# Allegro board pc065c_fibv2_toplevel_28.brd
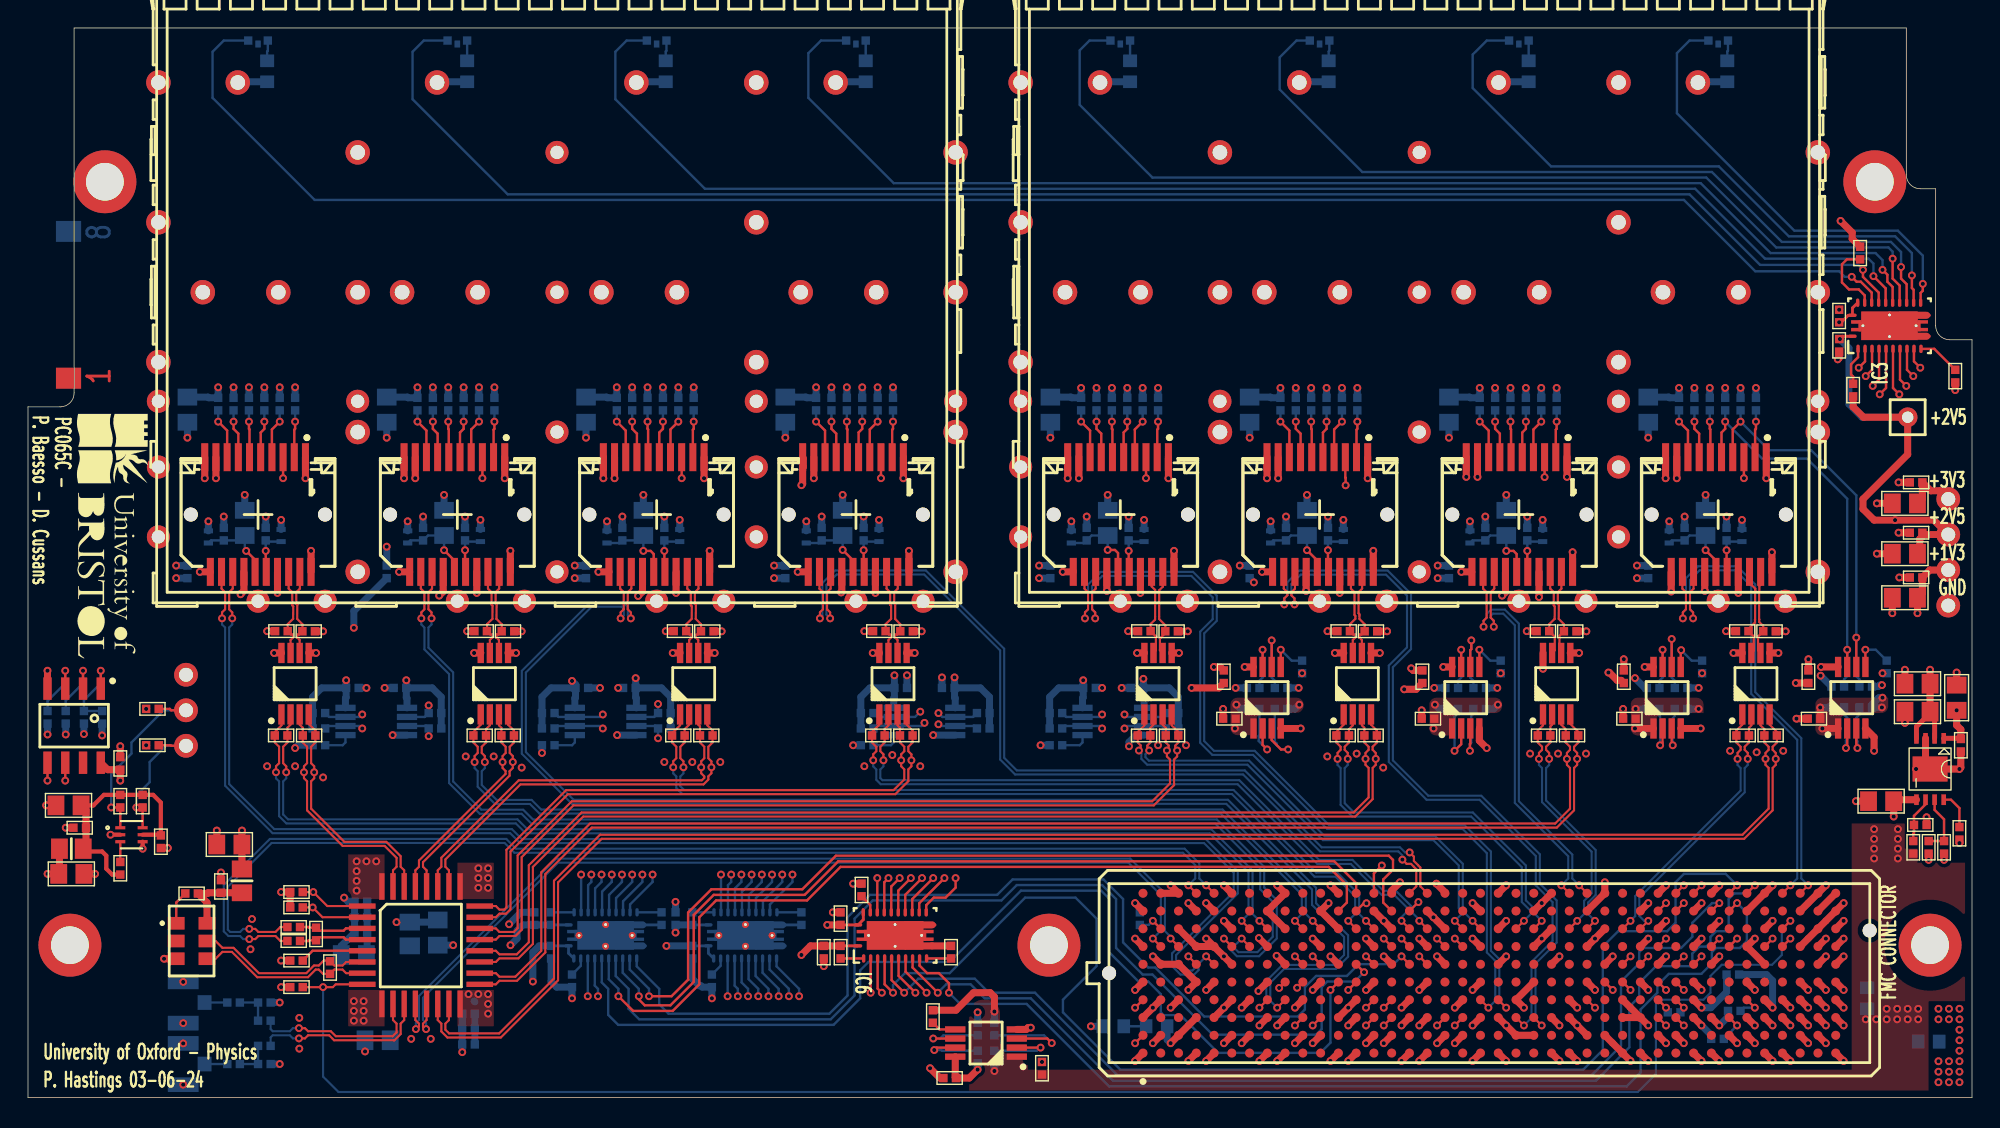
[diagram p0: board, top side]
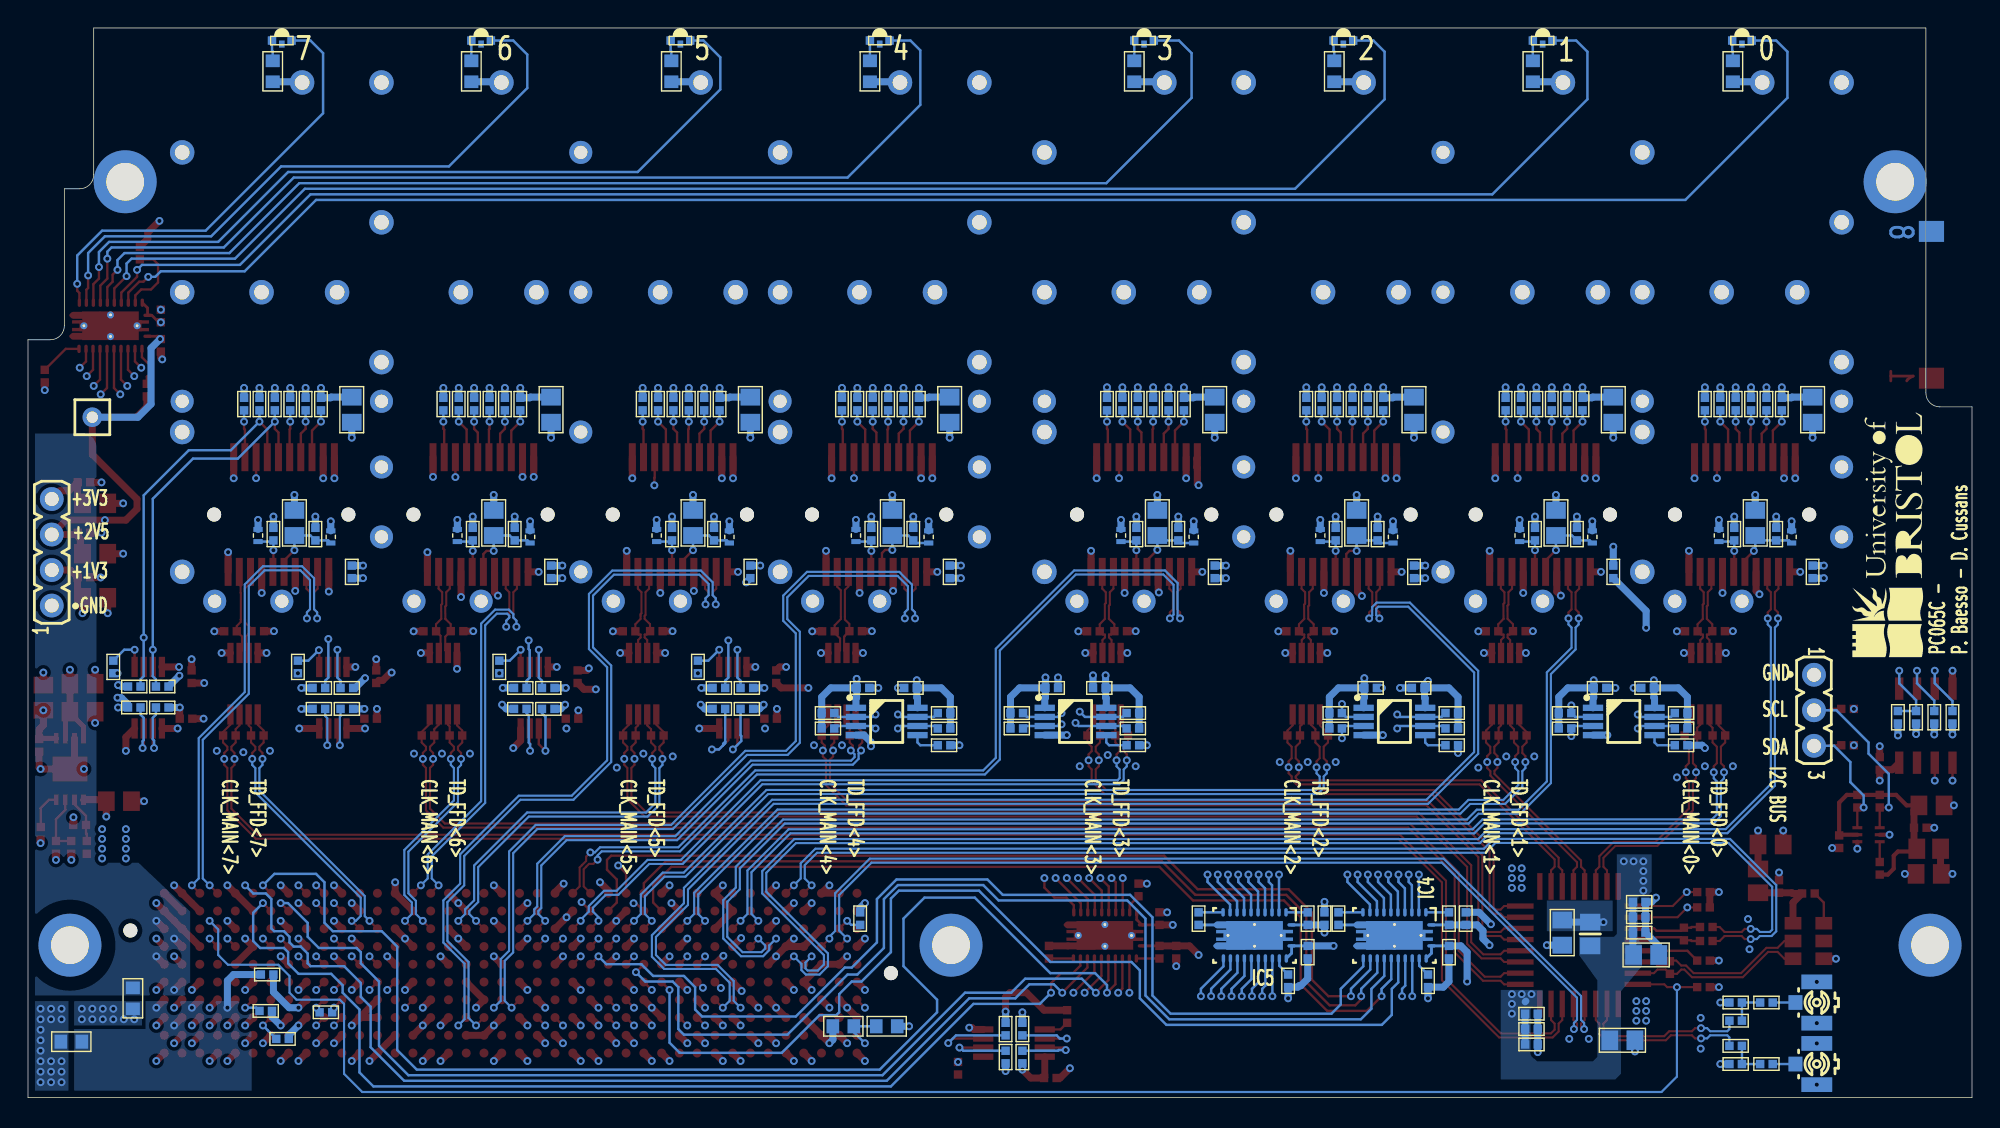
[diagram p1: board, bottom side, seen from below]

Outline 139 x 76.5 mm; copper layers: TOP, L2_GND, L3_SIG, L4_PWR, L5_PWR, L6_SIG, L7_GND, BOTTOM. Coordinates in mm from the lower left corner of the outline.
Outline path: 0,49.4 0,0 139,0 139,54.2 137.4,54.2 arc(136.69,54.49) 136.4,55.2 136.4,65 135.3,65 arc(134.59,65.29) 134.3,66 134.3,76.5 3.3,76.5 3.3,50.4 arc(3.01,49.69) 2.3,49.4 0,49.4

## Design rules (mm)
constraint set DEFAULT: min track width 0.17, pair gap 0.3
net group 250MXTAL: nets 250MXTAL_N 250MXTAL_P
net group CLK_BIDIR<1>: nets CLK_BIDIR_N<1> CLK_BIDIR_P<1>
net group CLK_IN<1>: nets CLK_IN_N<1> CLK_IN_P<1>
net group CLK_IN_CAP: nets UNNAMED_8_CAPCERSMDCL2_I167_A UNNAMED_8_CAPCERSMDCL2_I168_B
net group CLK_MAIN<0>: nets CLK_MAIN_N<0> CLK_MAIN_P<0>
net group CLK_MAIN<1>: nets CLK_MAIN_N<1> CLK_MAIN_P<1>
net group CLK_MAIN<2>: nets CLK_MAIN_N<2> CLK_MAIN_P<2>
net group CLK_MAIN<3>: nets CLK_MAIN_N<3> CLK_MAIN_P<3>
net group CLK_MAIN<4>: nets CLK_MAIN_N<4> CLK_MAIN_P<4>
net group CLK_MAIN<5>: nets CLK_MAIN_N<5> CLK_MAIN_P<5>
net group CLK_MAIN<6>: nets CLK_MAIN_N<6> CLK_MAIN_P<6>
net group CLK_MAIN<7>: nets CLK_MAIN_N<7> CLK_MAIN_P<7>
net group CLK_MAIN<8>: nets CLK_MAIN_N<8> CLK_MAIN_P<8>
net group CLK_MAIN<9>: nets CLK_MAIN_N<9> CLK_MAIN_P<9>
net group DP_C2M<0>: nets DP_C2M_N<0> DP_C2M_P<0>
net group DP_C2M<1>: nets DP_C2M_N<1> DP_C2M_P<1>
net group DP_C2M<2>: nets DP_C2M_N<2> DP_C2M_P<2>
net group DP_C2M<3>: nets DP_C2M_N<3> DP_C2M_P<3>
net group DP_C2M<4>: nets DP_C2M_N<4> DP_C2M_P<4>
net group DP_C2M<5>: nets DP_C2M_N<5> DP_C2M_P<5>
net group DP_C2M<6>: nets DP_C2M_N<6> DP_C2M_P<6>
net group DP_C2M<7>: nets DP_C2M_N<7> DP_C2M_P<7>
net group DP_C2M<8>: nets DP_C2M_N<8> DP_C2M_P<8>
net group DP_C2M<9>: nets DP_C2M_N<9> DP_C2M_P<9>
net group DP_M2C<0>: nets DP_M2C_N<0> DP_M2C_P<0>
net group DP_M2C<1>: nets DP_M2C_N<1> DP_M2C_P<1>
net group DP_M2C<2>: nets DP_M2C_N<2> DP_M2C_P<2>
net group DP_M2C<3>: nets DP_M2C_N<3> DP_M2C_P<3>
net group DP_M2C<4>: nets DP_M2C_N<4> DP_M2C_P<4>
net group DP_M2C<5>: nets DP_M2C_N<5> DP_M2C_P<5>
net group DP_M2C<6>: nets DP_M2C_N<6> DP_M2C_P<6>
net group DP_M2C<7>: nets DP_M2C_N<7> DP_M2C_P<7>
net group DP_M2C<8>: nets DP_M2C_N<8> DP_M2C_P<8>
net group DP_M2C<9>: nets DP_M2C_N<9> DP_M2C_P<9>
net group FMC_LA<2>: nets TD_FFD_N<0> TD_FFD_P<0>
net group FMC_LA<4>: nets TD_FFD_N<1> TD_FFD_P<1>
net group FMC_LA<7>: nets TD_FFD_N<2> TD_FFD_P<2>
net group FMC_LA<11>: nets TD_FFD_N<3> TD_FFD_P<3>
net group FMC_LA<13>: nets FMC_LA_N<13> FMC_LA_P<13>
net group FMC_LA<15>: nets TD_FFD_N<4> TD_FFD_P<4>
net group FMC_LA<17>: nets RD_FPGA_N<5> RD_FPGA_P<5>
net group FMC_LA<19>: nets TD_FFD_N<5> TD_FFD_P<5>
net group FMC_LA<20>: nets FMC_LA_N<20> FMC_LA_P<20>
net group FMC_LA<21>: nets TD_FFD_N<6> TD_FFD_P<6>
net group FMC_LA<22>: nets FMC_LA_N<22> FMC_LA_P<22>
net group FMC_LA<23>: nets FMC_LA_N<23> FMC_LA_P<23>
net group FMC_LA<24>: nets TD_FFD_N<7> TD_FFD_P<7>
net group FMC_LA<25>: nets FMC_LA_N<25> FMC_LA_P<25>
net group FMC_LA<26>: nets CDCLVD110_SI FMC_LA_N<26>
net group GBTCLK_M2C<0>: nets GBTCLK_M2C_N<0> GBTCLK_M2C_P<0>
net group GBTCLK_M2C<1>: nets GBTCLK_M2C_N<1> GBTCLK_M2C_P<1>
net group SFP_TD: nets SFP_TD_N SFP_TD_P
net group SFP_TD_1: nets SFP_TD_N_1 SFP_TD_P_1
net group SFP_TD_2: nets SFP_TD_N_2 SFP_TD_P_2
net group SFP_TD_3: nets SFP_TD_N_3 SFP_TD_P_3
net group SFP_TD_4: nets SFP_TD_N_4 SFP_TD_P_4
net group SFP_TD_5: nets SFP_TD_N_5 SFP_TD_P_5
net group SFP_TD_6: nets SFP_TD_N_6 SFP_TD_P_6
net group SFP_TD_7: nets SFP_TD_N_7 SFP_TD_P_7
net group CLK_M2C_N: nets CLK_M2C_N<0>
net group CLK_M2C_P: nets CLK_M2C_P<0>
net group FMC_HA_N: nets FMC_HA_N<1> FMC_HA_N<2> FMC_HA_N<3> FMC_HA_N<4> FMC_HA_N<5> FMC_HA_N<6> FMC_HA_N<7> FMC_HA_N<16> FMC_HA_N<18> FMC_HA_N<19> FMC_HA_N<20> FMC_HA_N<21> FMC_HA_N<22> FMC_HA_N<23> SFP_FAULT<4> SFP_FAULT<5> SFP_FAULT<6> SFP_FAULT<7> SFP_LOS<5> SFP_LOS<6> SFP_LOS<7>
net group FMC_HA_P: nets FMC_HA_P<1> FMC_HA_P<2> FMC_HA_P<3> FMC_HA_P<4> FMC_HA_P<5> FMC_HA_P<6> FMC_HA_P<7> FMC_HA_P<16> FMC_HA_P<18> FMC_HA_P<19> FMC_HA_P<20> FMC_HA_P<21> FMC_HA_P<22> FMC_HA_P<23> SFP_FAULT<0> SFP_FAULT<1> SFP_FAULT<2> SFP_FAULT<3> SFP_LOS<1>
net group FMC_HB_N: nets FMC_HB_N<1> FMC_HB_N<2> FMC_HB_N<3> FMC_HB_N<4> FMC_HB_N<5> FMC_HB_N<6> FMC_HB_N<7> FMC_HB_N<16> FMC_HB_N<18> FMC_HB_N<19> FMC_HB_N<20> FMC_HB_N<21> SFP_TX_DISABLE<4> SFP_TX_DISABLE<5> SFP_TX_DISABLE<6> SFP_TX_DISABLE<7>
net group FMC_HB_P: nets FMC_HB_P<1> FMC_HB_P<2> FMC_HB_P<3> FMC_HB_P<4> FMC_HB_P<5> FMC_HB_P<6> FMC_HB_P<7> FMC_HB_P<16> FMC_HB_P<18> FMC_HB_P<19> FMC_HB_P<20> FMC_HB_P<21> SFP_TX_DISABLE<0> SFP_TX_DISABLE<1> SFP_TX_DISABLE<2> SFP_TX_DISABLE<3>
net group FMC_LA<32>: nets CDCLVD110_EN
net group FMC_LA_N: nets FMC_LA_N<3> FMC_LA_N<5> FMC_LA_N<8> FMC_LA_N<27> FMC_LA_N<28> FMC_LA_N<30> FMC_LA_N<32> RD_FPGA_N<0> RD_FPGA_N<1> RD_FPGA_N<2> RD_FPGA_N<3> RD_FPGA_N<4> RD_FPGA_N<6> RD_FPGA_N<7> RST_I2C_B SFP_I2C_SCL_CVCC<6>
net group FMC_LA_P: nets CDCLVD110_CK FMC_LA_P<3> FMC_LA_P<5> FMC_LA_P<8> FMC_LA_P<27> FMC_LA_P<28> FMC_LA_P<30> RD_FPGA_P<0> RD_FPGA_P<1> RD_FPGA_P<2> RD_FPGA_P<3> RD_FPGA_P<4> RD_FPGA_P<6> RD_FPGA_P<7> SFP_I2C_SDA_CVCC<6>
net group LED_FPGA: nets LED_FPGA<0> LED_FPGA<1> LED_FPGA<2> LED_FPGA<3> LED_FPGA<4> LED_FPGA<5> LED_FPGA<6> LED_FPGA<7>
net group SFP_FAULT_FPGA: nets SFP_FAULT_FPGA<0> SFP_FAULT_FPGA<1> SFP_FAULT_FPGA<2> SFP_FAULT_FPGA<3> SFP_FAULT_FPGA<4> SFP_FAULT_FPGA<5> SFP_FAULT_FPGA<6> SFP_FAULT_FPGA<7>
net group SFP_I2C_SCL: nets SFP_I2C_SCL<0> SFP_I2C_SCL<1> SFP_I2C_SCL<2> SFP_I2C_SCL<3> SFP_I2C_SCL<4> SFP_I2C_SCL<5> SFP_I2C_SCL<6> SFP_I2C_SCL<7>
net group SFP_I2C_SCL_CVCC: nets SFP_I2C_SCL_CVCC<0> SFP_I2C_SCL_CVCC<1> SFP_I2C_SCL_CVCC<2> SFP_I2C_SCL_CVCC<3> SFP_I2C_SCL_CVCC<4> SFP_I2C_SCL_CVCC<5> SFP_I2C_SCL_CVCC<7>
net group SFP_I2C_SDA: nets SFP_I2C_SDA<0> SFP_I2C_SDA<1> SFP_I2C_SDA<2> SFP_I2C_SDA<3> SFP_I2C_SDA<4> SFP_I2C_SDA<5> SFP_I2C_SDA<6> SFP_I2C_SDA<7>
net group SFP_I2C_SDA_CVCC: nets SFP_I2C_SDA_CVCC<0> SFP_I2C_SDA_CVCC<1> SFP_I2C_SDA_CVCC<2> SFP_I2C_SDA_CVCC<3> SFP_I2C_SDA_CVCC<4> SFP_I2C_SDA_CVCC<5> SFP_I2C_SDA_CVCC<7>
net group SFP_LOS_FPGA: nets SFP_LOS_FPGA<0> SFP_LOS_FPGA<1> SFP_LOS_FPGA<2> SFP_LOS_FPGA<3> SFP_LOS_FPGA<4> SFP_LOS_FPGA<5> SFP_LOS_FPGA<6> SFP_LOS_FPGA<7>
net group SFP_TX_DISABLE_FPGA: nets SFP_TX_DISABLE_FPGA<0> SFP_TX_DISABLE_FPGA<1> SFP_TX_DISABLE_FPGA<2> SFP_TX_DISABLE_FPGA<3> SFP_TX_DISABLE_FPGA<4> SFP_TX_DISABLE_FPGA<5> SFP_TX_DISABLE_FPGA<6> SFP_TX_DISABLE_FPGA<7>

## Placement (name value [footprint] x y rotation side)
C1  100nF  [C0402]  135 44 0 top
C2  10uF  [C0805]  134.2 42.5 0 top
C3  10uF  [C0805]  29.3 11.8 90 bottom
C4  10uF  [C0805]  3.1 16 180 top
C5  100nF  [C0402]  3.7 19.3 0 top
C6  10uF  [C0805]  14.4 18.1 0 top
C7  100nF  [C0402]  23.8 14 0 bottom
C8  22uF  [C0805]  2.9 20.9 0 top
C9  100nF  [C0402]  23.8 12.9 0 bottom
C10  100nF  [C0402]  13.8 15.1 270 top
C11  100nF  [C0402]  23.8 11.8 0 bottom
C12  10uF  [C0805]  23.3 10.2 0 bottom
C13  100nF  [C0402]  31.5 6 0 bottom
C14  100nF  [C0402]  31.5 4.9 0 bottom
C15  100nF  [C0402]  31.5 3.8 0 bottom
C16  100nF  [C0402]  19 12.2 180 top
C17  10uF  [C0805]  25 4.1 0 bottom
C18  100nF  [C0402]  19 11.2 0 top
C19  100nF  [C0402]  135.3 19.5 180 top
C20  100nF  [C0402]  129.5 53.8 90 top
C21  100nF  [C0402]  129.5 55.9 90 top
C22  100nF  [C0402]  36.2 12.8 270 bottom
C23  100nF  [C0402]  37.4 10.4 270 bottom
C24  100nF  [C0402]  46.3 12.8 270 bottom
C25  100nF  [C0402]  47.5 10.4 270 bottom
C26  100nF  [C0402]  56.9 10.4 90 top
C27  100nF  [C0402]  58.1 12.8 90 top
C29  100nF  [C0402]  9.5 18.3 270 top
C30  100nF  [C0402]  16.9 3.7 180 bottom
C31  100nF  [C0402]  11.4 37.6 270 bottom
C32  10uF  [C0805]  11.4 49.2 90 bottom
C33  100nF  [C0402]  17 40.3 270 bottom
C34  10uF  [C0805]  15.5 41.1 270 bottom
C35  100nF  [C0402]  14 40.3 270 bottom
C36  100nF  [C0402]  135 37.2 0 top
C37  10uF  [C0805]  134.2 35.75 0 top
C38  100nF  [C0402]  135 40.4 0 top
C39  10uF  [C0805]  134.2 38.9 0 top
C40  100nF  [C0402]  25.65 37.6 270 bottom
C41  10uF  [C0805]  25.65 49.2 90 bottom
C42  100nF  [C0402]  31.25 40.3 270 bottom
C43  10uF  [C0805]  29.75 41.1 270 bottom
C44  100nF  [C0402]  28.25 40.3 270 bottom
C45  100nF  [C0402]  39.9 37.6 270 bottom
C46  10uF  [C0805]  39.9 49.2 90 bottom
C47  100nF  [C0402]  45.5 40.3 270 bottom
C48  10uF  [C0805]  44 41.1 270 bottom
C49  100nF  [C0402]  42.5 40.3 270 bottom
C50  100nF  [C0402]  54.15 37.6 270 bottom
C51  10uF  [C0805]  54.15 49.2 90 bottom
C52  100nF  [C0402]  59.75 40.3 270 bottom
C53  10uF  [C0805]  58.25 41.1 270 bottom
C54  100nF  [C0402]  56.75 40.3 270 bottom
C59  100nF  [C0402]  115.85 37.6 270 bottom
C60  10uF  [C0805]  115.85 49.2 90 bottom
C61  100nF  [C0402]  121.45 40.3 270 bottom
C62  10uF  [C0805]  119.95 41.1 270 bottom
C63  100nF  [C0402]  118.45 40.3 270 bottom
C64  100nF  [C0402]  101.6 37.6 270 bottom
C65  10uF  [C0805]  101.6 49.2 90 bottom
C66  100nF  [C0402]  107.2 40.3 270 bottom
C67  10uF  [C0805]  105.7 41.1 270 bottom
C68  100nF  [C0402]  104.2 40.3 270 bottom
C69  100nF  [C0402]  87.35 37.6 270 bottom
C70  10uF  [C0805]  87.35 49.2 90 bottom
C71  100nF  [C0402]  92.95 40.3 270 bottom
C72  10uF  [C0805]  91.45 41.1 270 bottom
C73  100nF  [C0402]  89.95 40.3 270 bottom
C74  100nF  [C0402]  73.1 37.6 270 bottom
C75  10uF  [C0805]  73.1 49.2 90 bottom
C76  100nF  [C0402]  78.7 40.3 270 bottom
C77  10uF  [C0805]  77.2 41.1 270 bottom
C78  100nF  [C0402]  75.7 40.3 270 bottom
C79  100nF  [C0402]  72.5 2.1 270 top
C80  100nF  [C0402]  65.9 1.4 0 top
C81  100nF  [C0402]  26.6 29.3 0 bottom
C82  100nF  [C0402]  23.2 29.3 180 bottom
C83  100nF  [C0402]  43 29.3 0 bottom
C84  100nF  [C0402]  39.6 29.3 180 bottom
C85  100nF  [C0402]  65.8 29.3 0 bottom
C86  100nF  [C0402]  62.4 29.3 180 bottom
C87  100nF  [C0402]  79.3 29.3 0 bottom
C88  100nF  [C0402]  75.9 29.3 180 bottom
C89  100nF  [C0402]  85.9 27.1 0 top
C90  100nF  [C0402]  85.5 30.1 270 top
C91  100nF  [C0402]  100.1 27.1 0 top
C92  100nF  [C0402]  99.7 30.1 270 top
C93  100nF  [C0402]  114.5 27.1 0 top
C94  100nF  [C0402]  114.1 30.1 270 top
C95  100nF  [C0402]  127.7 27.1 0 top
C96  100nF  [C0402]  127.3 30.1 270 top
C99  10uF  [C0805]  135.1 27.6 0 top
C100  10uF  [C0805]  135.1 29.6 0 top
C101  100nF  [C0402]  138.1 18.9 90 top
C112  100nF  [C0402]  6.6 23.9 90 top
C118  10uF  [C0805]  137.9 28.6 90 top
C119  100nF  [C0402]  138.2 25.2 270 top
C120  4.7uF  [C0805]  132.5 21.2 0 top
C121  100nF  [C0402]  16.9 5.5 180 bottom
DS1  -  [155060YS73200]  16.45 75.6 180 bottom
DS2  -  [155060YS73200]  30.7 75.6 180 bottom
DS3  -  [155060YS73200]  44.95 75.6 180 bottom
DS4  -  [155060YS73200]  59.2 75.6 180 bottom
DS5  -  [155060YS73200]  78.1 75.6 180 bottom
DS6  -  [155060YS73200]  92.35 75.6 180 bottom
DS7  -  [155060YS73200]  106.6 75.6 180 bottom
DS8  -  [155060YS73200]  120.85 75.6 180 bottom
F1  -  [C0603]  131.5 7.1 270 bottom
F2  -  [C0603]  135.9 4 0 bottom
IC1  -  [SOIC127P600X175-8N]  3.3 26.6 270 top
IC2  -  [SOT_DRL_TEX]  7.4 18.8 0 top
IC3  -  [RHL0024A]  133.1 55.2 90 top
IC4  -  [RHL0024A]  41.3 11.6 270 bottom
IC5  -  [RHL0024A]  51.3 11.6 270 bottom
IC6  -  [RHL0024A]  62 11.6 90 top
IC11  -  [SOP65P490X110-8N]  68.5 3.9 180 top
IC12  -  [SOP65P490X110-8N]  24.9 26.9 180 bottom
IC14  -  [SOP65P490X110-8N]  41.3 26.9 180 bottom
IC15  -  [SOP65P490X110-8N]  64.1 26.9 180 bottom
IC16  -  [SOP65P490X110-8N]  77.6 26.9 180 bottom
IC17  -  [SOP65P490X110-8N]  88.6 28.6 90 top
IC18  -  [SOP65P490X110-8N]  102.8 28.6 90 top
IC19  -  [SOP65P490X110-8N]  117.2 28.6 90 top
IC20  -  [SOP65P490X110-8N]  130.4 28.6 90 top
J1  -  [SAMTEC_MTLW-103-07-L-S-250]  11.3 27.7 270 bottom
J2  -  [SAMTEC_ASP-134488-01]  104.49 8.9 180 top
J7  -  [TYCO_1888247-1]  16.44 41.7 270 top
J12  -  [TYCO_1888247-1]  30.69 41.7 270 top
J16  -  [TYCO_1888247-1]  44.94 41.7 270 top
J20  -  [TYCO_1888247-1]  59.19 41.7 270 top
J24  -  [TYCO_1888247-1]  120.89 41.7 270 top
J28  -  [TYCO_1888247-1]  106.64 41.7 270 top
J32  -  [TYCO_1888247-1]  92.39 41.7 270 top
J36  -  [TYCO_1888247-1]  78.14 41.7 270 top
J40  -  [SAMTEC_MTLW-104-07-L-S-250]  137.3 39 90 bottom
L1  0.10uH  [INDC2012X105N]  3.1 17.8 0 top
L2  0.10uH  [INDC2012X105N]  27.3 11.7 270 bottom
L3  0.10uH  [INDC2012X105N]  15.3 15.5 270 top
L4  4.7nH  [INDC_0402HP]  18.1 40.2 270 bottom
L5  4.7nH  [INDC_0402HP]  12.9 40.1 90 bottom
L6  4.7nH  [INDC_0402HP]  32.35 40.2 270 bottom
L7  4.7nH  [INDC_0402HP]  27.15 40.1 90 bottom
L8  4.7nH  [INDC_0402HP]  46.6 40.2 270 bottom
L9  4.7nH  [INDC_0402HP]  41.4 40.1 90 bottom
L10  4.7nH  [INDC_0402HP]  60.85 40.2 270 bottom
L11  4.7nH  [INDC_0402HP]  55.65 40.1 90 bottom
L12  4.7nH  [INDC_0402HP]  122.55 40.2 270 bottom
L13  4.7nH  [INDC_0402HP]  117.35 40.1 90 bottom
L14  4.7nH  [INDC_0402HP]  108.3 40.2 270 bottom
L15  4.7nH  [INDC_0402HP]  103.1 40.1 90 bottom
L16  4.7nH  [INDC_0402HP]  94.05 40.2 270 bottom
L17  4.7nH  [INDC_0402HP]  88.85 40.1 90 bottom
L18  4.7nH  [INDC_0402HP]  79.8 40.2 270 bottom
L19  4.7nH  [INDC_0402HP]  74.6 40.1 90 bottom
NOREF  -  [unnamed]  136 10.9 0 top
NOREF#2  -  [#2]  -35.9 -77.6 0 top
NOREF#3  -  [unnamed]  5.5 65.5 0 top
NOREF#4  -  [unnamed]  132.05 65.5 0 top
NOREF#5  -  [#2]  0 0 0 top
NOREF#6  -  [#2]  139 0 90 top
NOREF#7  -  [unnamed]  73 10.9 0 top
NOREF#8  -  [#2]  3.5 48.9 270 top
NOREF#9  -  [unnamed]  3 10.9 0 top
NOREF#10  -  [#2]  3.5 31.5 90 bottom
PX3  -  [HIROSE_U-FL-R-SMT-1_10]  11.1 2.4 90 bottom
PX4  -  [HIROSE_U-FL-R-SMT-1_10]  11.1 6.8 90 bottom
QZ1  250MHz  [QFN_5032_6PINS]  11.7 11.2 270 top
R1  100  [C0402]  18.1 25.9 0 top
R2  100  [C0402]  20.6 11.7 270 top
R3  4.7k  [C0402]  11.7 14.6 180 top
R4  100  [C0402]  21.6 9.3 270 top
R5  4.7k  [C0402]  19.2 13.6 0 top
R6  4.7k  [C0402]  19.2 14.7 0 top
R7  4.7k  [C0402]  19.2 7.9 0 top
R8  XX  [C0402]  6.6 21.2 90 top
R9  4.7k  [C0402]  19.2 9.8 180 top
R10  XX  [C0402]  8.2 21.2 90 top
R11  4.7k  [C0402]  6.6 16.4 270 top
R12  49.9  [C0402]  16.9 2.4 180 bottom
R13  10k  [C0603]  77.6 5.1 0 bottom
R14  XX  [C0603]  80.7 5.1 180 bottom
R15  XX  [C0402]  79.5 12.8 270 bottom
R16  0R0  [C0402]  120.8 4.2 0 bottom
R17  49.9  [C0402]  16.9 6.8 180 bottom
R18  470  [C0402]  14.7 2.4 180 bottom
R19  470  [C0402]  14.7 6.8 180 bottom
R20  0R0  [C0402]  122 6.2 0 bottom
R21  XX  [C0402]  121.9 8.8 0 bottom
R22  51  [C0402]  18.12 33.36 180 top
R23  51  [C0402]  20.07 33.35 0 top
R24  4.7k  [C0402]  19.1 49.6 270 bottom
R25  4.7k  [C0402]  13.6 49.6 270 bottom
R26  4.7k  [C0402]  15.8 49.6 90 bottom
R27  4.7k  [C0402]  16.9 49.6 90 bottom
R28  4.7k  [C0402]  18 49.6 90 bottom
R29  4.7k  [C0402]  14.7 49.6 90 bottom
R30  270  [C0603]  17.1 73.4 270 bottom
R31  4.7k  [C0402]  37.4 12.8 90 bottom
R32  4.7k  [C0402]  45.3 12.8 90 bottom
R33  270  [C0603]  31.4 73.4 270 bottom
R34  51  [C0402]  32.37 33.36 180 top
R35  51  [C0402]  34.32 33.35 0 top
R36  4.7k  [C0402]  33.35 49.6 270 bottom
R37  4.7k  [C0402]  27.85 49.6 270 bottom
R38  4.7k  [C0402]  30.05 49.6 90 bottom
R39  4.7k  [C0402]  31.15 49.6 90 bottom
R40  4.7k  [C0402]  32.25 49.6 90 bottom
R41  4.7k  [C0402]  28.95 49.6 90 bottom
R42  51  [C0402]  46.62 33.36 180 top
R43  51  [C0402]  48.57 33.35 0 top
R44  4.7k  [C0402]  47.6 49.6 270 bottom
R45  4.7k  [C0402]  42.1 49.6 270 bottom
R46  4.7k  [C0402]  44.3 49.6 90 bottom
R47  4.7k  [C0402]  45.4 49.6 90 bottom
R48  4.7k  [C0402]  46.5 49.6 90 bottom
R49  4.7k  [C0402]  43.2 49.6 90 bottom
R50  51  [C0402]  60.87 33.36 180 top
R51  51  [C0402]  62.82 33.35 0 top
R52  4.7k  [C0402]  61.85 49.6 270 bottom
R53  4.7k  [C0402]  56.35 49.6 270 bottom
R54  4.7k  [C0402]  58.55 49.6 90 bottom
R55  4.7k  [C0402]  59.65 49.6 90 bottom
R56  4.7k  [C0402]  60.75 49.6 90 bottom
R57  4.7k  [C0402]  57.45 49.6 90 bottom
R58  270  [C0603]  45.6 73.4 270 bottom
R59  270  [C0603]  59.9 73.4 270 bottom
R60  270  [C0603]  78.8 73.4 270 bottom
R61  270  [C0603]  93 73.4 270 bottom
R62  XX  [C0402]  137 17.9 90 top
R63  270  [C0603]  107.3 73.4 270 bottom
R64  270  [C0603]  121.5 73.4 270 bottom
R65  0R0  [C0402]  117.7 6.1 0 bottom
R66  4.7k  [C0402]  130.5 50.6 90 top
R67  4.7k  [C0402]  137.8 51.6 90 top
R68  4.7k  [C0402]  131 60.4 270 top
R69  4.7k  [C0402]  38.9 8.35 90 bottom
R70  4.7k  [C0402]  47.5 12.8 90 bottom
R71  4.7k  [C0402]  55.3 12.8 90 bottom
R72  4.7k  [C0402]  48.9 8.35 90 bottom
R73  4.7k  [C0402]  58.1 10.4 270 top
R74  4.7k  [C0402]  66 10.4 270 top
R75  4.7k  [C0402]  59.6 14.85 270 top
R93  XX  [C0402]  8.9 25.2 180 top
R94  XX  [C0402]  8.9 27.8 180 top
R99  51  [C0402]  122.57 33.36 180 top
R100  51  [C0402]  124.52 33.35 0 top
R101  4.7k  [C0402]  123.55 49.6 270 bottom
R102  4.7k  [C0402]  118.05 49.6 270 bottom
R103  4.7k  [C0402]  120.25 49.6 90 bottom
R104  4.7k  [C0402]  121.35 49.6 90 bottom
R105  4.7k  [C0402]  122.45 49.6 90 bottom
R106  4.7k  [C0402]  119.15 49.6 90 bottom
R107  51  [C0402]  108.32 33.36 180 top
R108  51  [C0402]  110.27 33.35 0 top
R109  4.7k  [C0402]  109.3 49.6 270 bottom
R110  4.7k  [C0402]  103.8 49.6 270 bottom
R111  4.7k  [C0402]  106 49.6 90 bottom
R112  4.7k  [C0402]  107.1 49.6 90 bottom
R113  4.7k  [C0402]  108.2 49.6 90 bottom
R114  4.7k  [C0402]  104.9 49.6 90 bottom
R115  51  [C0402]  94.07 33.36 180 top
R116  51  [C0402]  96.02 33.35 0 top
R117  4.7k  [C0402]  95.05 49.6 270 bottom
R118  4.7k  [C0402]  89.55 49.6 270 bottom
R119  4.7k  [C0402]  91.75 49.6 90 bottom
R120  4.7k  [C0402]  92.85 49.6 90 bottom
R121  4.7k  [C0402]  93.95 49.6 90 bottom
R122  4.7k  [C0402]  90.65 49.6 90 bottom
R123  51  [C0402]  79.82 33.36 180 top
R124  51  [C0402]  81.77 33.35 0 top
R125  4.7k  [C0402]  80.8 49.6 270 bottom
R126  4.7k  [C0402]  75.3 49.6 270 bottom
R127  4.7k  [C0402]  77.5 49.6 90 bottom
R128  4.7k  [C0402]  78.6 49.6 90 bottom
R129  4.7k  [C0402]  79.7 49.6 90 bottom
R130  4.7k  [C0402]  76.4 49.6 90 bottom
R131  4.7k  [C0402]  69.1 4.9 90 bottom
R132  4.7k  [C0402]  69.1 2.9 270 bottom
R133  0R0  [C0402]  64.7 5.8 270 top
R134  4.7k  [C0402]  67.9 4.9 90 bottom
R135  4.7k  [C0402]  67.9 2.9 270 bottom
R136  4.7k  [C0402]  29.1 26.4 0 bottom
R137  4.7k  [C0402]  29.1 27.5 0 bottom
R138  0R0  [C0402]  20.8 25.2 0 bottom
R139  4.7k  [C0402]  20.8 26.4 180 bottom
R140  4.7k  [C0402]  20.8 27.5 180 bottom
R141  4.7k  [C0402]  45.5 26.4 0 bottom
R142  4.7k  [C0402]  45.5 27.5 0 bottom
R143  0R0  [C0402]  37.2 25.2 0 bottom
R144  4.7k  [C0402]  37.2 26.4 180 bottom
R145  4.7k  [C0402]  37.2 27.5 180 bottom
R146  4.7k  [C0402]  68.3 26.4 0 bottom
R147  4.7k  [C0402]  68.3 27.5 0 bottom
R148  0R0  [C0402]  60 25.2 0 bottom
R149  4.7k  [C0402]  60 26.4 180 bottom
R150  4.7k  [C0402]  60 27.5 180 bottom
R151  4.7k  [C0402]  81.8 26.4 0 bottom
R152  4.7k  [C0402]  81.8 27.5 0 bottom
R153  0R0  [C0402]  73.5 25.2 0 bottom
R154  4.7k  [C0402]  73.5 26.4 180 bottom
R155  4.7k  [C0402]  73.5 27.5 180 bottom
R156  4.7k  [C0402]  89.6 27.8 0 bottom
R157  4.7k  [C0402]  87.6 27.8 180 bottom
R158  0R0  [C0402]  91.1 30.8 90 bottom
R159  4.7k  [C0402]  89.6 29.3 0 bottom
R160  4.7k  [C0402]  87.6 29.3 180 bottom
R161  4.7k  [C0402]  103.8 27.8 0 bottom
R162  4.7k  [C0402]  101.8 27.8 180 bottom
R163  0R0  [C0402]  105.3 30.8 90 bottom
R164  4.7k  [C0402]  103.8 29.3 0 bottom
R165  4.7k  [C0402]  101.8 29.3 180 bottom
R166  4.7k  [C0402]  118.2 27.8 0 bottom
R167  4.7k  [C0402]  116.2 27.8 180 bottom
R168  0R0  [C0402]  119.7 30.8 90 bottom
R169  4.7k  [C0402]  118.2 29.3 0 bottom
R170  4.7k  [C0402]  116.2 29.3 180 bottom
R171  4.7k  [C0402]  131.4 27.9 0 bottom
R172  4.7k  [C0402]  129.4 27.9 180 bottom
R173  0R0  [C0402]  132.9 30.8 90 bottom
R174  4.7k  [C0402]  131.4 29.4 0 bottom
R175  4.7k  [C0402]  129.4 29.4 180 bottom
R182  100k  [C0402]  135.9 17.9 90 top
R183  0R0  [C0402]  134.8 17.9 90 top
R186  100  [C0402]  20.1 25.9 0 top
R187  100  [C0402]  32.3 25.9 0 top
R188  100  [C0402]  34.3 25.9 0 top
R189  100  [C0402]  46.5 25.9 0 top
R190  100  [C0402]  48.5 25.9 0 top
R191  100  [C0402]  60.8 25.9 0 top
R192  100  [C0402]  62.8 25.9 0 top
R193  100  [C0402]  122.6 25.9 0 top
R194  100  [C0402]  124.6 25.9 0 top
R195  100  [C0402]  108.4 25.9 0 top
R196  100  [C0402]  110.4 25.9 0 top
R197  100  [C0402]  94 25.9 0 top
R198  100  [C0402]  96 25.9 0 top
R199  100  [C0402]  79.8 25.9 0 top
R200  100  [C0402]  81.8 25.9 0 top
R201  XX  [C0402]  5.3 27.2 270 bottom
R202  0R0  [C0402]  4 27.2 270 bottom
R203  0R0  [C0402]  1.4 27.2 270 bottom
R204  0R0  [C0402]  2.7 27.2 270 bottom
SFP1  -  [TYCO_2007132]  59.2 41.7 270 top
SFP2  -  [TYCO_2007132]  120.85 41.7 270 top
TP10  -  [TP_HOLE_08]  134.4 48.66 180 bottom
U1  -  [LQFP32_080]  28.1 10.9 0 top
U3  -  [SOP65P490X110-8N]  19.1 29.6 90 top
U4  -  [SOP65P490X110-8N]  33.35 29.6 90 top
U5  -  [SOP65P490X110-8N]  47.6 29.6 90 top
U6  -  [SOP65P490X110-8N]  61.85 29.6 90 top